# Altium PCB PCB1.PcbDoc (part 1 of 2) (continued)
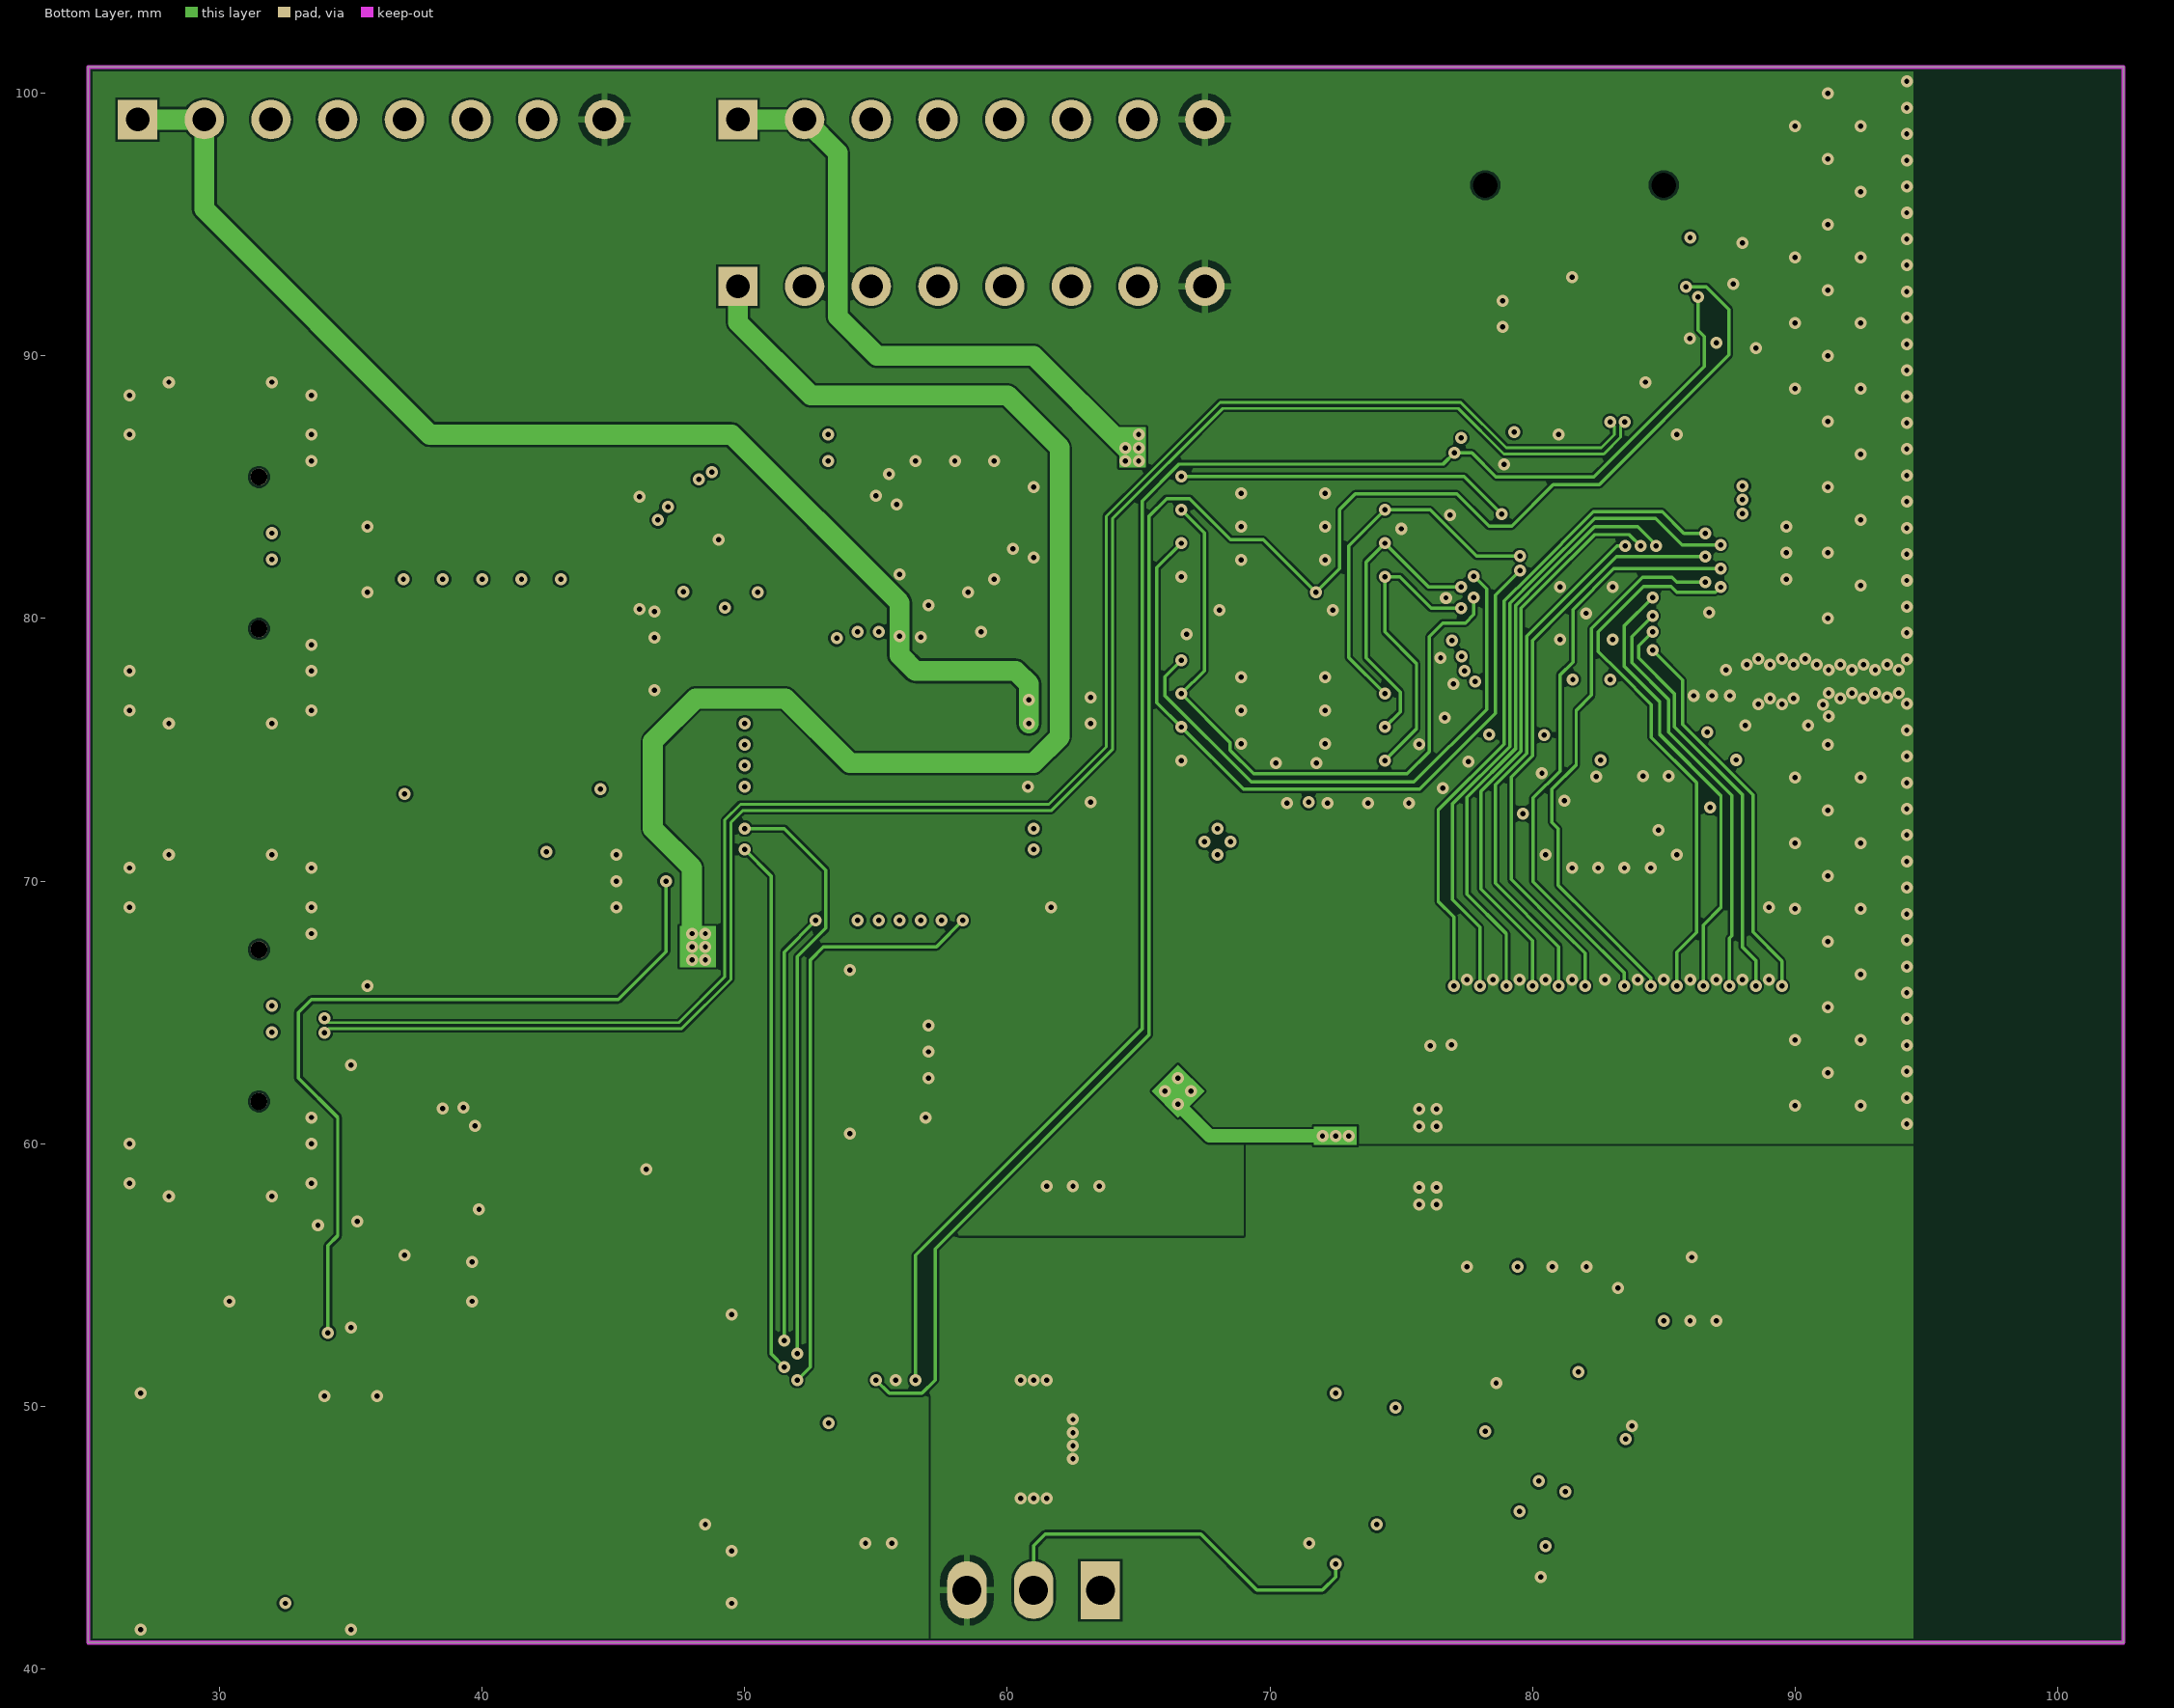
[diagram p3: Bottom Layer]
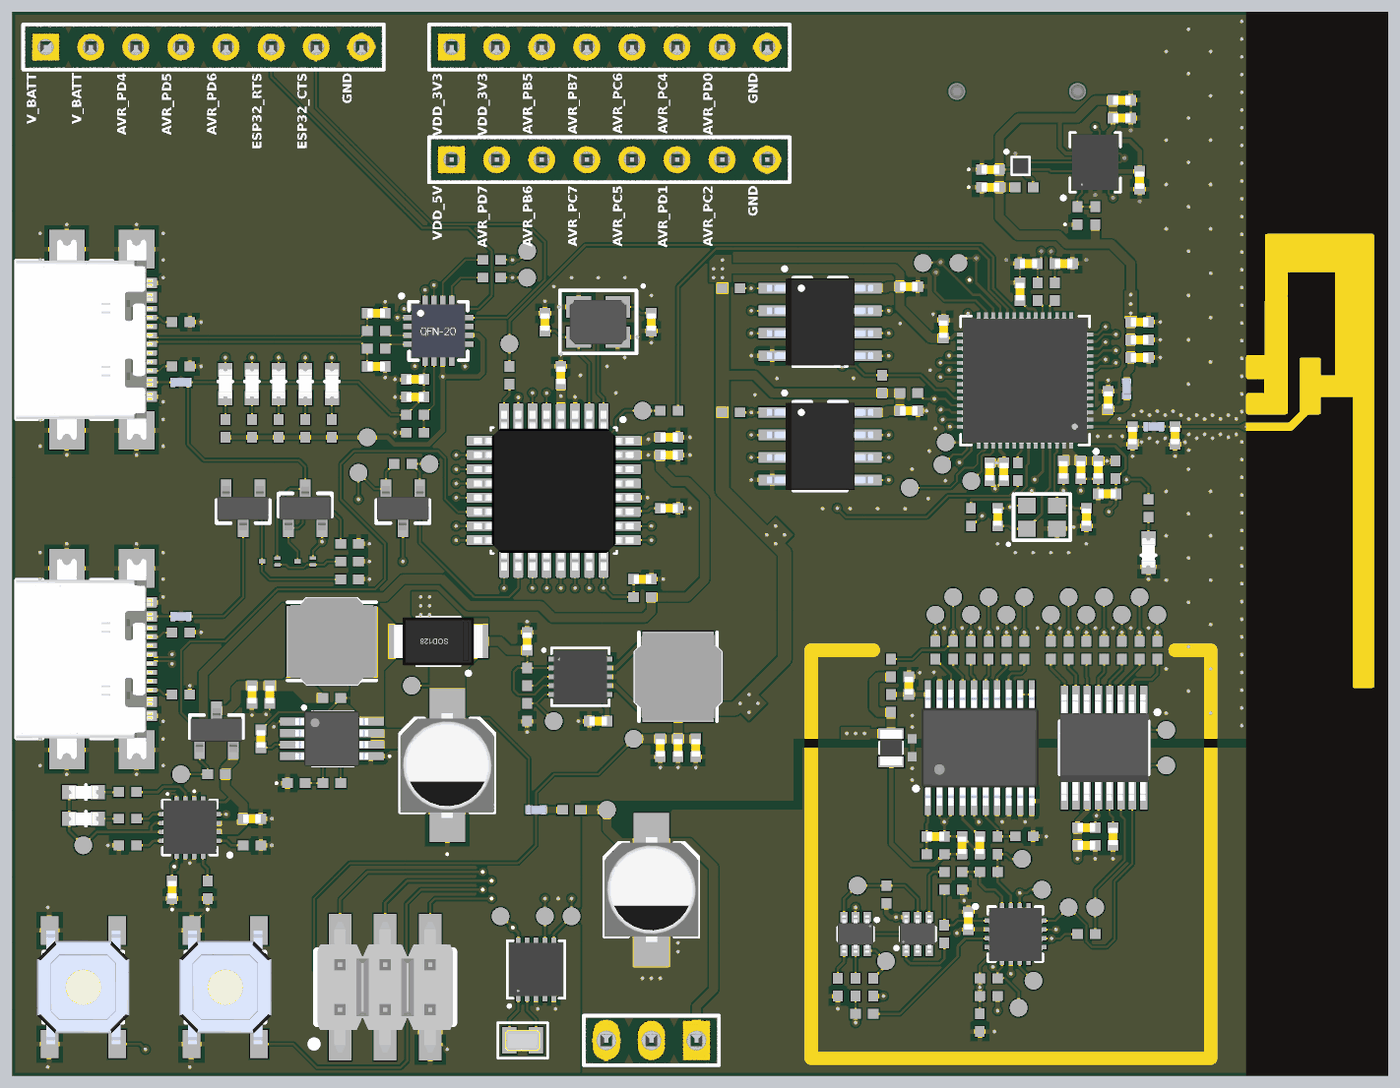
[diagram p5: 3D render of the assembled board from above, using the file's embedded part models]

## Layer stack, top to bottom
Top Solder: solder mask 0.0127, Solder Resist, Dk 3.8
Top Layer 1: signal copper 0.035
Dielectric 2: prepreg 0.1, PP-006, Dk 4.05
Top Layer: signal copper 0.0175
Dielectric 1: dielectric 1.265, FR-4, Dk 4.6
Bottom Layer: signal copper 0.0175
Dielectric 3: prepreg 0.1, PP-006, Dk 4.05
Bottom Layer 1: signal copper 0.035
Bottom Solder: solder mask 0.0127, Solder Resist, Dk 3.8

## Board outline
25,41 102.5,41 102.5,101 25,101

## Design rules (kind name [scope] priority, off if disabled: settings)
Clearance Clearance_Ant1 [InComponent('ANT1') vs InNet('GND')] p1: gap=0 ignorepadtopadclearanceinfootprint=FALSE
Clearance Clearance_All [All] p2: gap=0.089 ignorepadtopadclearanceinfootprint=FALSE except(0: Arc-Hole Track-Hole SMDPad-Hole THPad-Hole Via-Hole Fill-Hole Poly-Hole Region-Hole Text-Hole)
ComponentClearance [All] p1: gap=0 collisioncheckmode=3 verticalgap=0 showdistances=FALSE
DiffPairsRouting [All] p1: maxlimit=0.127 minlimit=0.127 mostfreqgap=0.127 toplayer_minwidth=0.107 toplayer_maxwidth=0.107 toplayer_prefwidth=0.107 midlayer1_minwidth=0.107 midlayer1_maxwidth=0.107 midlayer1_prefwidth=0.107 midlayer2_minwidth=0.107 midlayer2_maxwidth=0.107 midlayer2_prefwidth=0.107 bottomlayer_minwidth=0.107 bottomlayer_maxwidth=0.107 bottomlayer_prefwidth=0.107 maxuncoupledlength=10
MinimumSolderMaskSliver [All] p1: minsoldermaskwidth=0.2
PolygonConnect [All] p1: connectstyle=Relief reliefconductorwidth=0.254 reliefentries=4 polygonreliefangle="90 Angle" airgapwidth=0.254
RoutingVias [All] p1: holewidth=0.4 width=0.7 viastyle="Through Hole" minholewidth=0.2 minwidth=0.46 maxholewidth=6.3 maxwidth=10
ShortCircuit ShortCircuit_Ant [InNet('NetANT1_1') vs InNet('GND')] p1: allowed=TRUE
ShortCircuit ShortCircuit_1 [All] p2: allowed=FALSE
SilkToSolderMaskClearance [IsPad] p1: minsilkscreentomaskgap=0 clearancetoexposedcopper=TRUE
SolderMaskExpansion [All] p1: expansion=0.05 istentingtop=FALSE
Width Width_50R [InNetClass('50R') and not InComponent('ANT1')] p1: maxlimit=0.147 minlimit=0.147 preferedwidth=0.147
Width [All] p2: maxlimit=2.54 minlimit=0.089 preferedwidth=0.127
25 further rules are at their usual default settings.

## Classes and differential pairs
net class ESP_ANT: NetC3_2
net class 50R: NetANT1_1
component class Sheet6: J5 J6 J7 J8 J9
component class Sheet5: C51 C52 C53 C55 C56 C57 C58 C60 R71 R72 SW2 U14 U15 Y3
component class Sheet4: C39 C40 C41 C42 C43 C44 C45 C46 C47 C48 C49 C50 D7 D8 D9 L6 L7 L8 Q7 Q8 R58 R59 R60 R61 R62 R63 R64 R65 R66 R67 R68 R69 R70 TP46 TP47 TP48 TP49 TP50 TP51 TP52 TP53 U11 U12 U13
component class Sheet3: B1 C26 C27 C28 C29 C30 C31 C32 C33 C34 C35 C36 C37 C38 D6 J3 J4 L5 NT1 Q5 Q6 R3 R27 R28 R29 R30 R31 R32 R33 R34 R35 R36 R37 R38 R39 R40 R41 R42 R43 R44 R45 R46 R47 R48 R49 R50 R51 R52 R53 R54 R55 R57 R73 R74 R75 R76 R77 R78 R79 TP7 TP8 TP10 TP11 TP12 TP13 TP14 TP15 TP16 TP17 TP18 TP19 TP20 TP21 TP22 TP23 TP24 TP25 TP26 TP27 TP28 TP29 TP30 TP31 TP32 TP35 TP36 TP37 TP38 TP39 TP40 TP41 TP42 TP43 TP44 TP45 U5 U6 U7 U8 U9 U10 Y2
component class Sheet2: C20 C21 C22 C23 C24 C25 D1 D2 D3 D4 D5 J1 J2 L3 L4 Q1 Q2 Q3 Q4 R7 R8 R9 R10 R11 R12 R13 R14 R15 R16 R17 R18 R19 R20 R21 R22 R23 R24 R25 R26 TP9 U4
component class Sheet1: ANT1 C1 C2 C3 C4 C5 C6 C8 C9 C10 C11 C12 C14 C15 C16 C17 C18 C19 C59 L1 L2 R1 R2 R4 R5 R6 SW1 TP1 TP2 TP3 TP4 TP5 TP6 U1 U2 U3 Y1
differential pair USB2: +USB2_P -USB2_N
differential pair USB1: +USB1_P -USB1_N
differential pair ESP32_USB: +ESP32_USB_P -ESP32_USB_N
differential pair CP2102_USB: +CP2102_USB_P -CP2102_USB_N

## Components (designator, comment, footprint, x,y, rotation, side; value= is the part's Value field where it differs from the comment)
ANT1 "2.45GHz" ANT,PCB,IFA,2.45GHZ 94.475,77.6 r270 top
B1 "CR2032" Holder,Cell,CR2032,PCB,SMD 43,52 r0 bottom
C1 "100nF" Cap,SMD,0402 81.757,85.214 r270 top
C2 "100nF" Cap,SMD,0402 77.451,83.095 r270 top
C3 "4.8pF" Cap,SMD,0402 88.1,77.1 r90 top
C4 "3.9pF" Cap,SMD,0402 90.5,77.1 r90 top
C5 "1uF" Cap,SMD,0402 80.051,75.063 r90 top
C6 "100nF" Cap,SMD,0402 80.856,75.063 r90 top
C8 "10uF" Cap,SMD,0402 88.5,83.5 r180 top
C9 "1uF" Cap,SMD,0402 88.5,82.5 r180 top
C10 "100nF" Cap,SMD,0402 88.5,81.5 r180 top
C11 "100nF" Cap,SMD,0402 86.731,79.1 r270 top
C12 "100nF" Cap,SMD,0402 75.5,85.5 r180 top
C14 "1uF" Cap,SMD,0402 86.168,75.166 r90 top
C15 "100pF" Cap,SMD,0402 85.187,75.166 r90 top
C16 "100nF" Cap,SMD,0402 75.5,78.5 r180 top
C17 "12pF" Cap,SMD,0402 85.5,72.5 r270 top
C18 "12pF" Cap,SMD,0402 80.5,72.5 r90 top
C19 "1uF" Cap,SMD,0402 86.668,73.814 r0 top
C20 "47pF" Cap,SMD,0402 45.5,84 r180 top
C21 "47pF" Cap,SMD,0402 45.5,81 r180 top
C22 "4.7uF" Cap,SMD,0402 47.692,79.269 r0 top
C23 "100nF" Cap,SMD,0402 47.692,80.269 r0 top
C24 "22pF" Cap,SMD,0402 82.246,86.795 r0 top
C25 "22pF" Cap,SMD,0402 84.219,86.795 r180 top
C26 "100nF" Cap,SMD,0402 78.857,49.75 r270 top
C27 "100nF" Cap,SMD,0402 85.5,55 r180 top
C28 "10uF" Cap,SMD,0402 85.5,54 r180 top
C29 "10uF" Cap,SMD,0402 87,54.5 r270 top
C30 "100nF" Cap,SMD,0402 77,54.5 r180 top
C31 "1uF" Cap,SMD,0402 78.5,54 r270 top
C32 "100nF" Cap,SMD,0402 75.5,63 r270 top
C33 "10uF" Cap,SMD,0402 79.5,54 r90 top
C34 "100nF" Cap,SMD,0402 80.1,92.1 r180 top
C35 "1uF" Cap,SMD,0402 80.1,91.1 r0 top
C36 "100nF" Cap,SMD,0402 87.5,95 r180 top
C37 "1uF" Cap,SMD,0402 87.5,96 r180 top
C38 "100nF" Cap,SMD,0402 88.5,91.5 r90 top
C39 "1uF" Cap,SMD,0402 34,51.5 r90 top
C40 "4.7uF" Cap,SMD,0402 38.5,55.5 r180 top
C41 "100uF" Cap,Alum,SMD,D5,H5.8 49.5,58.5 r270 top
C42 "10uF" Cap,SMD,0402 54,65.5 r270 top
C43 "10uF" Cap,SMD,0402 63.5,59.5 r90 top
C44 "10uF" Cap,SMD,0402 62.5,59.5 r90 top
C45 "10uF" Cap,SMD,0402 61.5,59.5 r90 top
C46 "4.8pF" Cap,SMD,0402 39,60 r270 top
C47 "10uF" Cap,SMD,0402 38.5,62.5 r90 top
C48 "10uF" Cap,SMD,0402 39.5,62.5 r90 top
C49 "100nF" Cap,SMD,0402 58,61 r0 top
C50 "100uF" Cap,Alum,SMD,D5,H5.8 61,51.5 r270 top
C51 "10uF" Cap,SMD,0402 62,77 r180 top
C52 "100nF" Cap,SMD,0402 62,76 r180 top
C53 "100nF" Cap,SMD,0402 55.9,80.5 r270 top
C55 "1uF" Cap,SMD,0402 60.5,69 r0 top
C56 "12pF" Cap,SMD,0402 61,83.5 r270 top
C57 "12pF" Cap,SMD,0402 55,83.5 r90 top
C58 "1uF" Cap,SMD,0402 62,73 r180 top
C59 "100pF" Cap,SMD,0402 84.206,75.166 r90 top
D1 "Green" LED,0603 37,80 r90 top
D2 "Green" LED,0603 38.5,80 r90 top
D3 "Green" LED,0603 40,80 r90 top
D4 "Green" LED,0603 41.5,80 r90 top
D5 "Green" LED,0603 43,80 r90 top
D6 "Green" LED,0603 89,70.5 r270 top
D7 "Green" LED,0603 29,57 r0 top
D8 "Green" LED,0603 29,55.5 r0 top
D9 "PMEG4030EP,115" SOD128 49,65.5 r180 top
J1 "USB" CONN,USB_C,SMD 31.5,82.5 r270 top
J2 "USB" CONN,USB_C,SMD 31.5,64.5 r270 top
J3 "Term,Header,3 Pin,Top,2.54mm" Term,Header,3Pin,2.54mm 61,43 r180 top
J4 "Micro SD Card" Conn,MicroSD,Push-Push,SMD 84.18,85.08 r0 bottom
J5 "Term,Header,8 Pin,Top,2.54mm" Term,Header,8Pin,2.54mm 26.88,99 r0 top
J6 "Term,Header,8 Pin,Top,2.54mm" Term,Header,8Pin,2.54mm 49.74,99 r0 top
J7 "Term,Header,3x2 Pin,2.54mm,SMD" TERM,HEADER,3X2PIN,P2.54,SMD 46,46 r90 top
J8 "Term,Header,8 Pin,Top,2.54mm" Term,Header,8Pin,2.54mm 49.74,92.65 r0 top
L1 "1.8nH" ind,0402 89.3,77.6 r0 top
L2 "2.7nH" ind,0402 87.761,79.73 r270 top
L3 "470R" IND,0402 34.5,80.1 r0 top
L4 "470R" IND,0402 34.5,66.9 r0 top
L5 "4.7uH" IND,0805 74.5,59.5 r90 top
L6 "4.7uH" IND,WIREWOUND,4.9x4.9,SMD 43,65.5 r0 top
L7 "4.7uH" IND,WIREWOUND,4.9x4.9,SMD 62.5,63.5 r270 top
L8 "470R" IND,0402 54.5,56 r0 top
NT1 "Net Tie" "Net Tie,20x60mil" 75.69,59.5 r270 top net-tie
Q1 "DMP2160U-7" SOT23-3 41.5,73 r90 top
Q2 "DMP2160U-7" SOT23-3 38,73 r270 top
Q3 "NST3906F3T5G" SOT1123 39.5,70 r180 top
Q4 "NST3906F3T5G" SOT1123 41.5,70 r180 top
Q5 "BCM847BS-7" SOT363 76,49 r90 top
Q6 "BCM847BS-7" SOT363 72.5,49 r270 top
Q7 "DMP2160U-7" SOT23-3 47,73 r270 top
Q8 "DMP2160U-7" SOT23-3 36.5,60.5 r90 top
R1 "10k" RES,0402 79,72.5 r270 top
R2 "499R" RES,0402 81.636,75.066 r270 top
R3 "499R" RES,0402 62,78.5 r180 top
R4 "10k" RES,0402 65.5,85.405 r180 top
R5 "10k" RES,0402 87.149,75.166 r90 top
R6 "10k" RES,0402 65.5,78.405 r180 top
R7 "150R" RES,0402 37,77.5 r270 top
R8 "150R" RES,0402 38.5,77.5 r270 top
R9 "150R" RES,0402 40,77.5 r270 top
R10 "150R" RES,0402 41.5,77.5 r270 top
R11 "150R" RES,0402 43,77.5 r270 top
R12 "22k" RES,0402 47.692,78.269 r0 top
R13 "27R" RES,0402 45.5,83 r0 top
R14 "0R" RES,0402 52,86 r0 top
R15 "27R" RES,0402 45.5,82 r0 top
R16 "47k" RES,0402 47.692,77.269 r0 top
R17 "0R" RES,0402 52,87 r0 top
R18 "5k11" RES,0402 34.5,81 r180 top
R19 "5k11" RES,0402 34.5,83.5 r180 top
R20 "0R" RES,0402 82.746,85.214 r270 top
R21 "0R" RES,0402 83.719,85.214 r270 top
R22 "5k11" RES,0402 34.5,62.5 r180 top
R23 "5k11" RES,0402 34.5,66 r180 top
R24 "10k" RES,0402 44,69 r0 top
R25 "10k" RES,0402 44,70 r0 top
R26 "10k" RES,0402 44,71 r0 top
R27 "1k" RES,0402 80,45.5 r180 top
R28 "0R" RES,0402 73,44.5 r0 top
R29 "56k" RES,0402 85.5,49 r0 top
R30 "1k" RES,0402 79.5,44 r90 top
R31 "0R" RES,0402 72.5,46 r90 top
R32 "56k" RES,0402 73.5,46 r270 top
R33 "56k" RES,0402 74.243,51.229 r270 top
R34 "300k" RES,0402 80,46.5 r180 top
R35 "22k" RES,0402 80,52.5 r180 top
R36 "1k" RES,0402 78,52.5 r0 top
R37 "10R" RES,0402 77,53.5 r0 top
R38 "47k" RES,0402 71.5,46 r90 top
R39 "1k" RES,0402 77.5,49 r90 top
R40 "22k" RES,0402 78,51.5 r180 top
R41 "560R" RES,0402 80.5,54 r270 top
R42 "10R" RES,0402 74.5,62 r270 top
R43 "10k" RES,0402 74.5,64 r270 top
R44 "10R" RES,0402 82,65 r270 top
R45 "10R" RES,0402 81,65 r270 top
R46 "10R" RES,0402 80,65 r270 top
R47 "10R" RES,0402 79,65 r270 top
R48 "10R" RES,0402 78,65 r270 top
R49 "10R" RES,0402 77,65 r270 top
R50 "2k55" RES,0402 74,80 r270 top
R51 "2k55" RES,0402 82,91.1 r180 top
R52 "1k" RES,0402 82,54.5 r180 top
R53 "0R" RES,0402 86,89.5 r90 top
R54 "0R" RES,0402 85,89.5 r90 top
R55 "150R" RES,0402 89,73 r90 top
R57 "10k" RES,0402 75.5,79.5 r180 top
R58 "560R" RES,0402 31.5,57 r180 top
R59 "560R" RES,0402 31.5,55.5 r180 top
R60 "10k" RES,0402 47,75.5 r180 top
R61 "1k13" RES,0402 36,51.5 r90 top
R62 "1k18" RES,0402 31.5,54 r0 top
R63 "10k" RES,0402 38.5,54 r180 top
R64 "100k" RES,0402 54,63.5 r90 top
R65 "10k" RES,0402 36.5,58 r0 top
R66 "75k" RES,0402 43,62.3 r180 top
R67 "300k" RES,0402 43,57.5 r0 top
R68 "100k" RES,0402 54,61.5 r270 top
R69 "100k" RES,0402 41,57.5 r0 top
R70 "10R" RES,0402 56.5,56 r0 top
R71 "10k" RES,0402 60.5,68 r180 top
R72 "499R" RES,0402 53,80.5 r90 top
R73 "10R" RES,0402 89.5,65 r270 top
R74 "10R" RES,0402 88.5,65 r270 top
R75 "10R" RES,0402 87.5,65 r270 top
R76 "10R" RES,0402 86.5,65 r270 top
R77 "10R" RES,0402 85.5,65 r270 top
R78 "10R" RES,0402 84.5,65 r270 top
R79 "10R" RES,0402 83.5,65 r270 top
SW1 "Switch" Switch,Tactile,Micro,SPST-NO,SMD 29,46 r90 top
SW2 "Switch" Switch,Tactile,Micro,SPST-NO,SMD 37,46 r90 top
TP1 "TESTPOINT" testpoint,smd,round,1mm 54,86 r180 top
TP2 "TESTPOINT" testpoint,smd,round,1mm 54,87.5 r180 top
TP3 "TESTPOINT" testpoint,smd,round,1mm 75.554,74.158 r180 top
TP4 "TESTPOINT" testpoint,smd,round,1mm 79.019,74.531 r180 top
TP5 "TESTPOINT" testpoint,smd,round,1mm 77.39,75.453 r180 top
TP6 "TESTPOINT" testpoint,smd,round,1mm 77.577,76.719 r180 top
TP7 "TESTPOINT" testpoint,smd,round,1mm 53,82.277 r90 top
TP8 "TESTPOINT" testpoint,smd,round,1mm 60.5,78.5 r90 top
TP9 "TESTPOINT" testpoint,smd,round,1mm 45,77 r90 top
TP10 "TESTPOINT" testpoint,smd,round,1mm 81.683,44.841 r180 top
TP11 "TESTPOINT" testpoint,smd,round,1mm 74.208,47.47 r90 top
TP12 "TESTPOINT" testpoint,smd,round,1mm 72.609,51.729 r90 top
TP13 "TESTPOINT" testpoint,smd,round,1mm 82.522,46.368 r180 top
TP14 "TESTPOINT" testpoint,smd,round,1mm 84.5,50.5 r180 top
TP15 "TESTPOINT" testpoint,smd,round,1mm 90,60.5 r180 top
TP16 "TESTPOINT" testpoint,smd,round,1mm 90,58.5 r180 top
TP17 "TESTPOINT" testpoint,smd,round,1mm 83,51.5 r180 top
TP18 "TESTPOINT" testpoint,smd,round,1mm 81.88,53.234 r90 top
TP19 "TESTPOINT" testpoint,smd,round,1mm 86,50.5 r180 top
TP20 "TESTPOINT" testpoint,smd,round,1mm 84.5,68 r90 top
TP21 "TESTPOINT" testpoint,smd,round,1mm 81,67 r90 top
TP22 "TESTPOINT" testpoint,smd,round,1mm 82,68 r90 top
TP23 "TESTPOINT" testpoint,smd,round,1mm 80,68 r90 top
TP24 "TESTPOINT" testpoint,smd,round,1mm 78,68 r90 top
TP25 "TESTPOINT" testpoint,smd,round,1mm 77,67 r90 top
TP26 "TESTPOINT" testpoint,smd,round,1mm 89.5,67 r90 top
TP27 "TESTPOINT" testpoint,smd,round,1mm 88.5,68 r90 top
TP28 "TESTPOINT" testpoint,smd,round,1mm 87.5,67 r90 top
TP29 "TESTPOINT" testpoint,smd,round,1mm 86.5,68 r90 top
TP30 "TESTPOINT" testpoint,smd,round,1mm 83.5,67 r90 top
TP31 "TESTPOINT" testpoint,smd,round,1mm 85.5,67 r90 top
TP32 "TESTPOINT" testpoint,smd,round,1mm 79,67 r90 top
TP35 "TESTPOINT" testpoint,smd,round,1mm 78.292,86.83 r180 top
TP36 "TESTPOINT" testpoint,smd,round,1mm 76.292,86.83 r180 top
TP37 "TESTPOINT" testpoint,smd,round,1mm 56.5,50 r180 top
TP38 "TESTPOINT" testpoint,smd,round,1mm 55,50 r180 top
TP39 "TESTPOINT" testpoint,smd,round,1mm 75.942,83.422 r0 bottom
TP40 "TESTPOINT" testpoint,smd,round,1mm 77.951,83.301 r0 bottom
TP41 "TESTPOINT" testpoint,smd,round,1mm 79.64,83.64 r0 bottom
TP42 "TESTPOINT" testpoint,smd,round,1mm 81.98,83.558 r0 bottom
TP43 "TESTPOINT" testpoint,smd,round,1mm 81.966,82.173 r0 bottom
TP44 "TESTPOINT" testpoint,smd,round,1mm 82.5,77 r0 bottom
TP45 "TESTPOINT" testpoint,smd,round,1mm 52.5,50 r90 top
TP46 "TESTPOINT" testpoint,smd,round,1mm 44.5,75 r90 top
TP47 "TESTPOINT" testpoint,smd,round,1mm 29,54 r180 top
TP48 "TESTPOINT" testpoint,smd,round,1mm 48.5,75.5 r90 top
TP49 "TESTPOINT" testpoint,smd,round,1mm 47.5,63 r90 top
TP50 "TESTPOINT" testpoint,smd,round,1mm 55.5,61 r90 top
TP51 "TESTPOINT" testpoint,smd,round,1mm 60,60 r90 top
TP52 "TESTPOINT" testpoint,smd,round,1mm 34.5,58 r90 top
TP53 "TESTPOINT" testpoint,smd,round,1mm 58.5,56 r90 top
U1 "ESP32-S3R8" IC,QFN-56,7X7,P0.4MM 82.046,80.2 r180 top
U2 "23LC1024-E/SN" IC,SOIC-8,1.27mm,W3.9 70.5,83.5 r0 top
U3 "AT25SF128A-SHB-T" IC,SOIC-8,1.27mm,W3.9 70.5,76.5 r0 top
U4 "CP2102N-A02-GQFN20" IC,QFN-20,3x3,PAD 49,83 r0 top
U5 "TLV9004SIRTER" IC,QFN-16,3x3 81.5,49 r0 top
U6 "PCM1780DBQR" IC,TSSOP-16,W3.9,P0.635MM 86.5,59.5 r270 top
U7 "MCP3561RT-E/ST" IC,TSSOP-20,W4.4 79.5,59.5 r90 top
U8 "MMC5633NJL" IC,WLP,2x2,P0.4mm 81.6,92.5 r0 top
U9 "ISM330DHCXTR" IC,LGA-14L,2.5x3mm 86,92.5 r90 top
U10 "PCF85063ATL/1,118" IC,DFN-10_3x3,P0.5mm 54.5,47 r90 top
U11 "BQ24076RGTR" IC,QFN-16,3x3 35,55 r180 top
U12 "RP506K331B-TR" IC,DFN-10_3x3,P0.5mm 57,63.5 r0 top
U13 "LM2623AMM/NOPB" IC,TSSOP-8,W3.0 43,60 r0 top
U14 "ATMEGA8U2-AURCT-ND" IC,TQFP-32,7x7,P0.8MM 55.5,74 r270 top
Y1 "40MHz" "XTAL,SMD,4 Pin,2x2.5mm" 83,72.5 r0 top
Y2 "32.768kHz" XTAL,SMD,2PIN,2.0x1.2MM 53.75,43 r180 top
Y3 "8MHz" "XTAL,SMD,4 Pin" 58,83.5 r180 top

## Footprints (in the part's own frame and the unit in brackets; to place one, negate y for a bottom-side part, rotate by r counter-clockwise, add the part's x,y. Pads: shape width x height; smd on the part's side, far side on the other; paste and mask are expansions set on the pad)
ANT,PCB,IFA,2.45GHZ [mm] "Cypress Antenna Design and RF Layout Guidelines"
  rect 0.1x0.1 smd mask+0.102: 1(0,0)
  Top Layer 1 lines w0.203: -0.787,0.229 -1.787,0.229 ; -2.787,0.229 -3.937,0.229 ; -0.787,0.432 -1.787,0.432 ; -2.787,0.432 -3.937,0.432 ; -0.787,0.635 -1.787,0.635 ; -2.787,0.635 -3.937,0.635 ; -0.787,0.838 -1.787,0.838 ; -2.787,0.838 -3.937,0.838 ; -0.787,1.041 -1.787,1.041 ; -2.787,1.041 -3.937,1.041 ; -0.787,1.245 -10.77,1.245 ; -0.787,1.448 -10.77,1.448 ; -0.787,1.651 -10.77,1.651 ; -0.787,1.854 -10.77,1.854 ; -0.787,2.057 -10.77,2.057 ; -10.77,2.261 -0.787,2.261 ; -8.787,2.464 -10.77,2.464 ; -8.787,2.667 -10.77,2.667 ; -8.787,2.87 -10.77,2.87 ; -8.787,3.073 -10.77,3.073 ; -0.787,3.277 -3.787,3.277 ; -8.787,3.277 -10.77,3.277 ; -0.787,3.48 -3.787,3.48 ; -8.787,3.48 -10.77,3.48 ; -0.787,3.683 -3.787,3.683 ; -8.787,3.683 -10.77,3.683 ; -0.787,3.886 -3.787,3.886 ; -8.787,3.886 -10.77,3.886 ; -0.787,4.089 -3.787,4.089 ; -8.787,4.089 -10.77,4.089 ; -1.787,4.293 -2.787,4.293 ; -8.787,4.293 -10.77,4.293 ; -1.787,4.496 -2.787,4.496 ; -8.787,4.496 -10.77,4.496 ; -1.787,4.699 -2.787,4.699 ; -8.787,4.699 -10.77,4.699 ; -1.787,4.902 -2.787,4.902 ; -8.787,4.902 -10.77,4.902 ; -1.787,5.105 -2.787,5.105 ; -8.787,5.105 -10.77,5.105 ; -1.787,5.309 -10.77,5.309 ; -1.787,5.512 -10.77,5.512 ; -1.787,5.715 -10.77,5.715 ; -1.787,5.918 -10.77,5.918 ; -1.787,6.121 -10.77,6.121 ; 14.63,6.325 -10.77,6.325 ; 14.63,6.528 -10.77,6.528 ; 14.63,6.731 -10.77,6.731 ; 14.63,6.934 -10.77,6.934 ; -0.787,2.261 -8.787,2.261 -8.787,5.127 -2.787,5.127 -2.787,4.127 -3.787,4.127 -3.787,3.127 -0.787,3.127 -0.787,4.127 -1.787,4.127 -1.787,6.127 14.63,6.127 14.63,7.137 -10.77,7.137 -10.77,1.194 -10.236,1.194 -3.937,1.168 -3.937,0.127 -2.787,0.127 -2.787,1.127 -1.787,1.127 -1.787,0.127 -0.787,0.127 -0.787,2.261
  Top Layer 1 lines w0.457: 0,0 0,2.521 -0.854,3.375
Cap,Alum,SMD,D5,H5.8 [mm] "Panasonic EEE-1AA101WR"
  rect 3.35x2 smd: 1(-2.65,0) 2(2.65,0)
  silkscreen extent -2.65,-2.65 2.65,2.65, body extent -2.95,-2.65 2.95,2.65, height 5.41
Cap,SMD,0402 [mm] "KEMET C0402C100K5GACTU"
  rect 0.6x0.6 smd: 1(-0.5,0) 2(0.5,0)
  body extent -0.5,-0.25 0.5,0.25, height 0.5
Conn,MicroSD,Push-Push,SMD [mm] "GCT MEM2075-00-140-01-A"
  rect 1.1x2.4 smd mask+0.05: 0(-10.18,-11) 0(-10.18,-2) 0(5.97,-11) 0(5.97,-2)
  round 0 hole 0.95 unplated mask+0.05: 0(-5.98,-11.42) 1(0.82,-11.42)
  rect 0.62x1.4 smd mask+0.05: 1(0,0) 2(-1.1,0) 3(-2.2,0) 4(-3.3,0) 5(-4.4,0) 6(-5.5,0) 7(-6.6,0) 8(-7.7,0) 9(-8.8,0)
  silkscreen extent -10.31,-15.65 6.13,0.2, body extent -10.31,-15.65 6.13,0.2, height 1.4
CONN,USB_C,SMD [mm] "GCT USB4110-GF-A"
  rect 2.18x2 smd: 0(-5.11,0.5) 0(-5.11,-3.43) 0(5.11,-3.43) 0(5.11,0.5)
  rect 0.6x1.15 smd: A1/B12(-3.2,1.075) A4/B9(-2.4,1.075) A9/B4(2.4,1.075) A12/B1(3.2,1.075)
  rect 0.3x1.15 smd: A5(-1.25,1.075) A6(-0.25,1.075) A7(0.25,1.075) A8(1.25,1.075) B5(1.75,1.075) B6(0.75,1.075) B7(-0.75,1.075) B8(-1.75,1.075)
  round 0.65 hole 0.65 unplated: ""(-2.89,0) ""(2.89,0)
  silkscreen extent -4.47,-6.28 4.47,-0.86, body extent -5.65,-6.28 5.65,1.42, height 3.26
Holder,Cell,CR2032,PCB,SMD [mm] "Adam Tech BH-67A-5"
  rect 1.27x5.08 smd mask+0.05: 1(-10.915,0) 1(10.915,0)
  round 10 smd mask+0.05: 2(0,0)
  silkscreen extent -9.4,-10 9.4,10, body extent -11.62,-7.7 11.62,8.78, height 4.05
IC,DFN-10_3x3,P0.5mm [mil] "Microchip Technology MCP73833-BZI/MF"
  rect 32x10 smd paste+0 mask+1.97: 1(-55,39.37) 2(-55,19.68) 3(-55,0) 4(-55,-19.68) 5(-55,-39.37) 6(55,-39.37) 7(55,-19.68) 8(55,0) 9(55,19.68) 10(55,39.37)
  rect 60x98 smd paste+0 mask+0: 11(0,0)
  silkscreen extent -84,-64 64,64, body extent -59,-59 59,59, height 37
IC,LGA-14L,2.5x3mm [mil] "STMicroelectronics ISM330DHCXTR"
  rect 23x14 smd paste+0 mask+1.97: 1(-47.5,29.54) 2(-47.5,9.85) 3(-47.5,-9.84) 4(-47.5,-29.53) 8(47.5,-29.53) 9(47.5,-9.84) 10(47.5,9.85) 11(47.5,29.54)
  rect 14x23 smd paste+0 mask+1.97: 5(-19.69,-37.74) 6(0,-37.74) 7(19.69,-37.74) 12(19.69,37.74) 13(0,37.74) 14(-19.69,37.74)
  silkscreen extent -82,-56 66,75, body extent -61,-51 61,51, height 65
IC,QFN-16,3x3 [mm] "Nordic Semiconductor NRF24L01P"
  rect 0.65x0.25 smd: 1(-1.425,0.75) 2(-1.425,0.25) 3(-1.425,-0.25) 4(-1.425,-0.75) 9(1.425,-0.75) 10(1.425,-0.25) 11(1.425,0.25) 12(1.425,0.75)
  rect 0.25x0.65 smd: 5(-0.75,-1.425) 6(-0.25,-1.425) 7(0.25,-1.425) 8(0.75,-1.425) 13(0.75,1.425) 14(0.25,1.425) 15(-0.25,1.425) 16(-0.75,1.425)